# KiCad board PC110.kicad_pcb
title: PC110 ITX; date: 2025-07-01; rev: 0.1; company: Designed by: Ahmad Byagowi
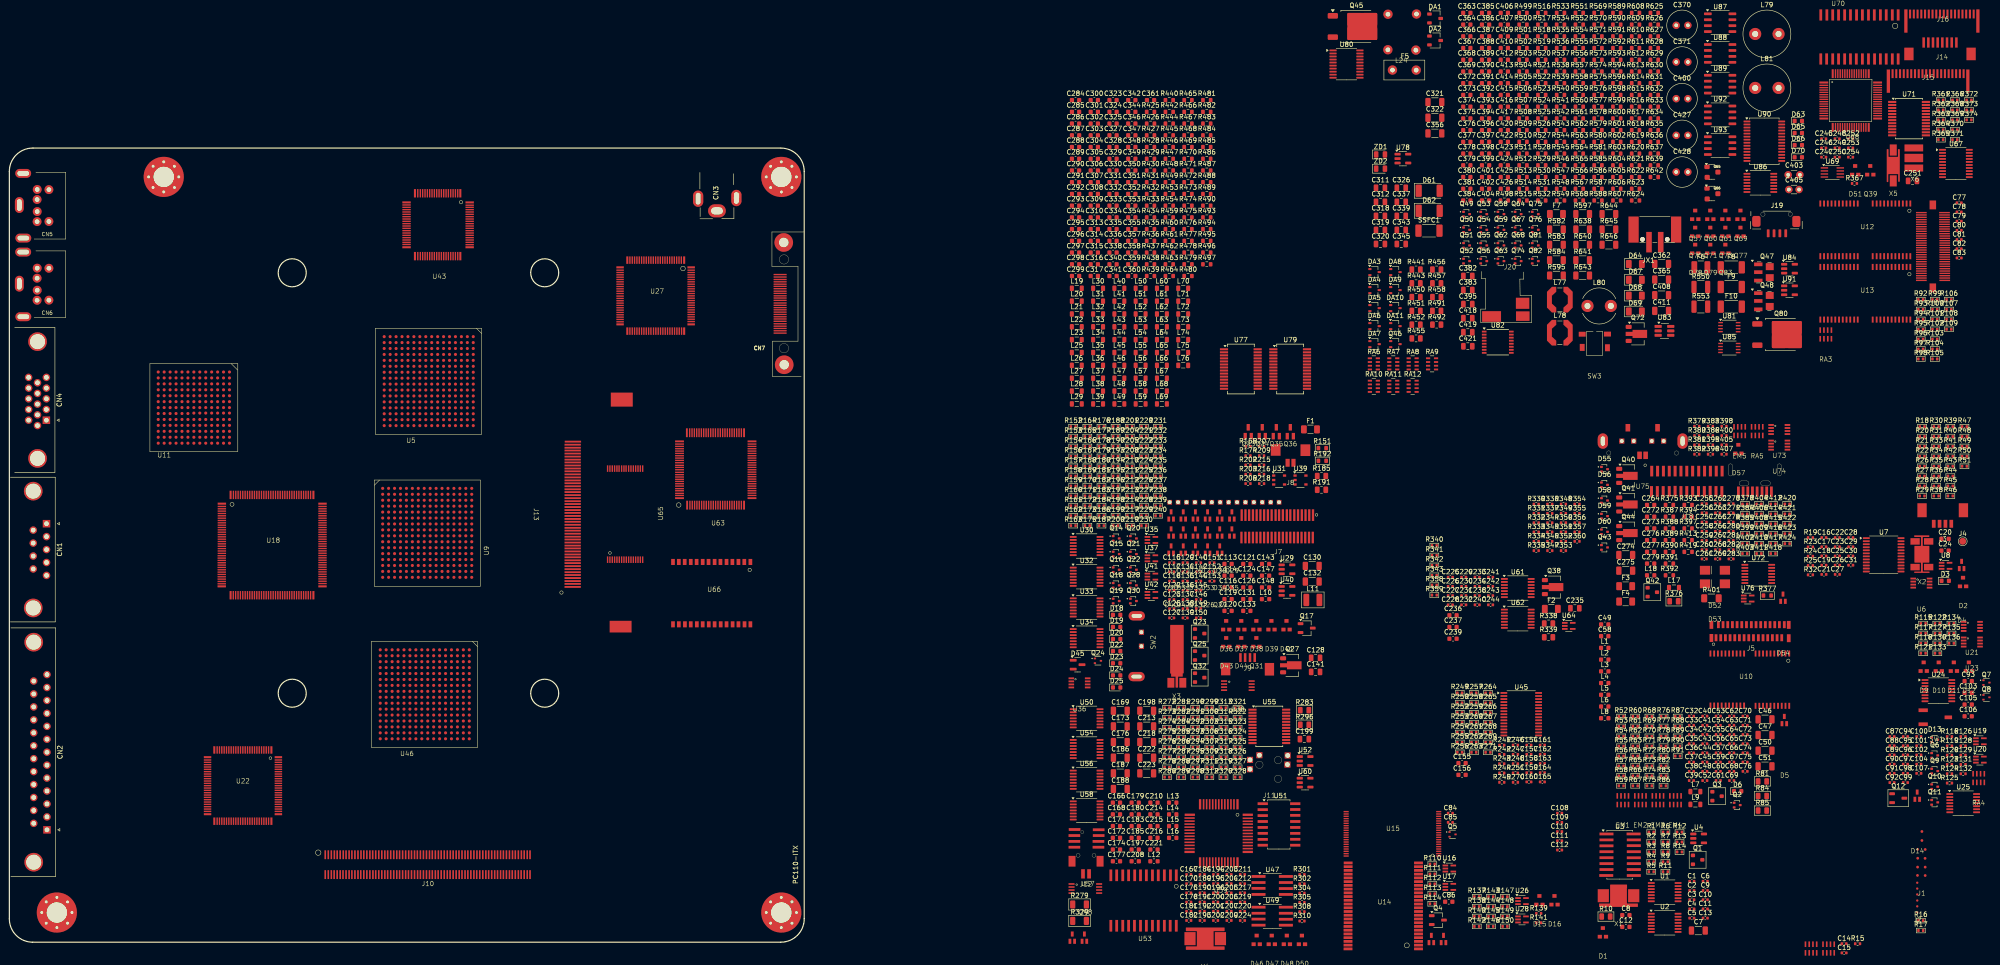
[diagram p0: board, top side]
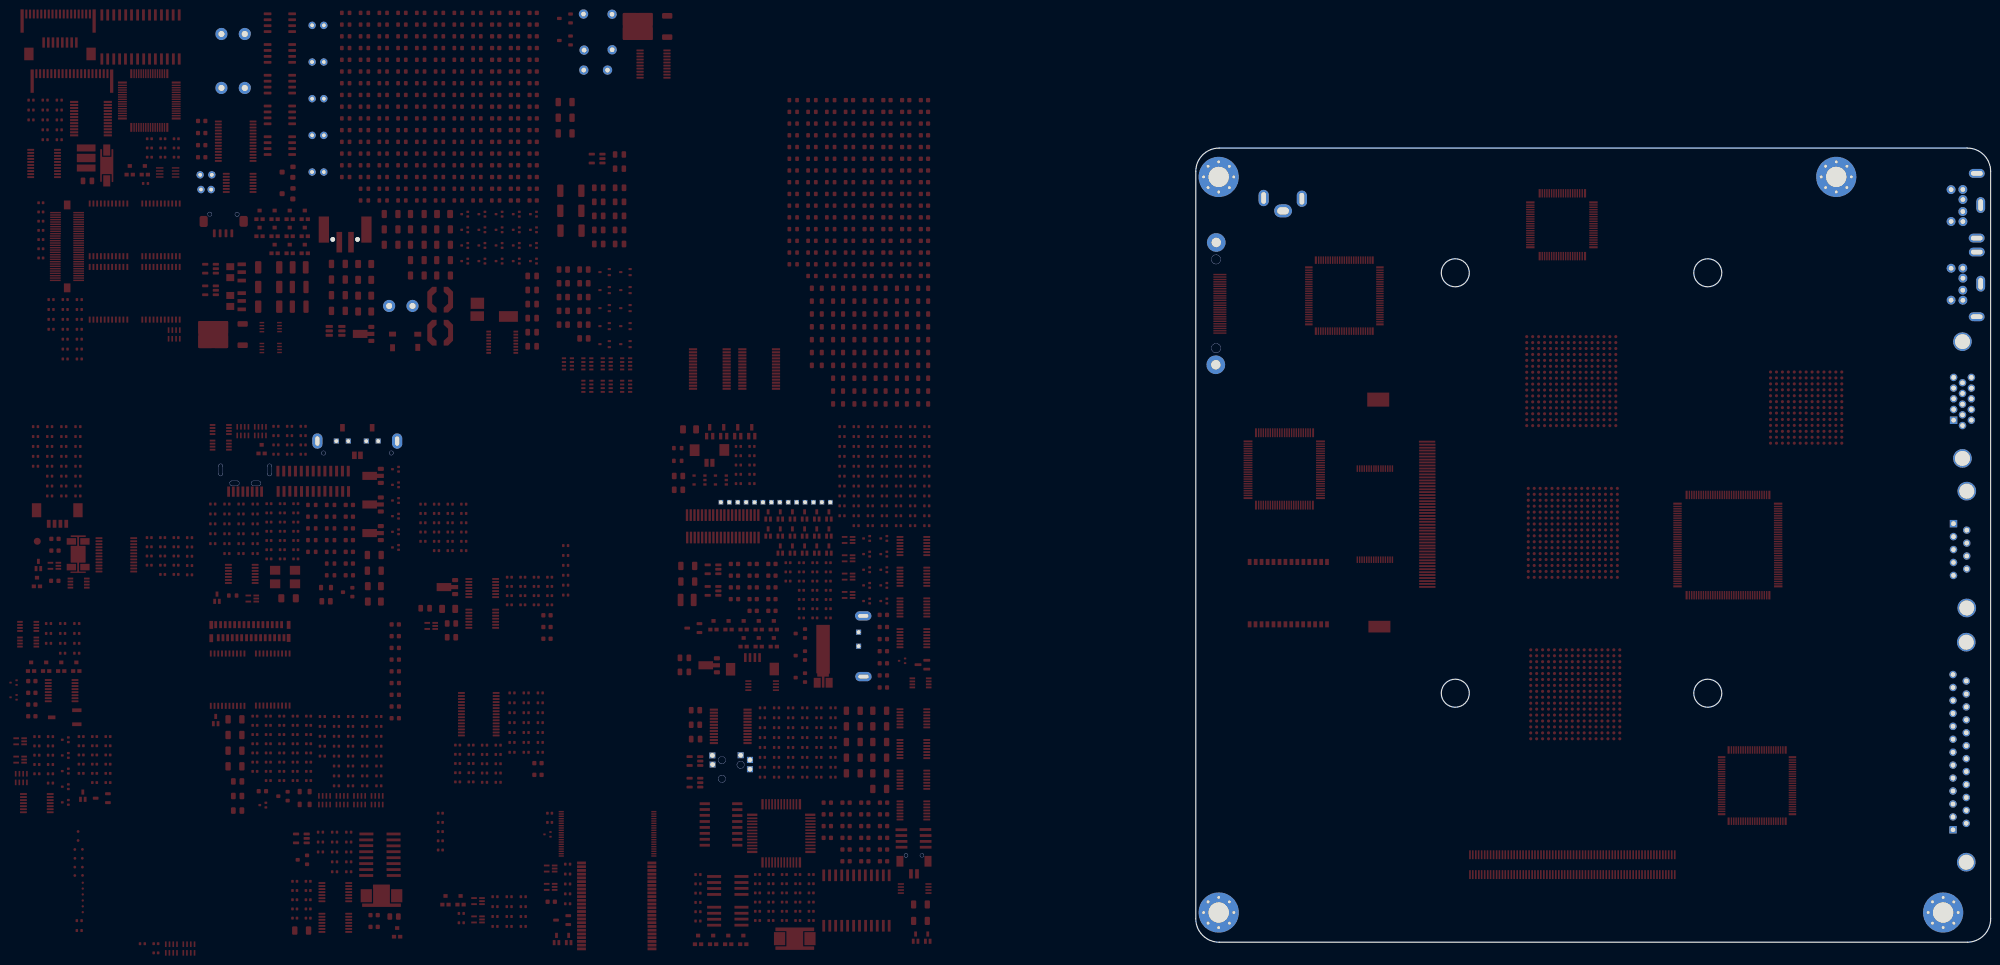
[diagram p1: board, bottom side, seen from below]

Outline 381.35 x 170 mm; copper layers: Top, Bottom. Coordinates in mm from the lower left corner of the outline.
Outline path: circle c10.16,6.35 r2.03 ; circle c33.02,163.83 r2.03 ; circle c60.5,143.3 r3 ; circle c60.5,53.3 r3 ; circle c114.5,143.3 r3 ; circle c114.5,53.3 r3 ; circle c165.1,163.83 r2.03 ; circle c165.1,6.35 r2.03 ; 0,165 0,5 arc(1.46,1.46) 5,0 165,0 arc(168.54,1.46) 170,5 170,165 arc(168.54,168.54) 165,170 5,170 arc(1.46,168.54) 0,165

## Placement (name value [footprint] x y rotation side)
C1  100nF  [C_0402_1005Metric]  359.84 13.03 0 top
C2  150nF  [C_0402_1005Metric]  359.84 11.06 0 top
C3  1nF  [C_0402_1005Metric]  359.84 9.09 0 top
C4  DNP  [C_0402_1005Metric]  359.84 7.12 0 top  (not fitted)
C5  DNP  [C_0402_1005Metric]  359.84 5.15 0 top  (not fitted)
C6  DNP  [C_0402_1005Metric]  362.71 13.03 0 top  (not fitted)
C7  10uF  [C_1206_3216Metric]  361.23 2.49 0 top
C8  330nF  [C_0603_1608Metric]  345.73 5.79 0 top
C9  1nF  [C_0402_1005Metric]  362.71 11.06 0 top
C10  220pF  [C_0402_1005Metric]  362.71 9.09 0 top
C11  150nF  [C_0402_1005Metric]  362.71 7.12 0 top
C12  10nF  [C_0603_1608Metric]  345.73 3.28 0 top
C13  100nF  [C_0402_1005Metric]  362.71 5.15 0 top
C14  150nF  [C_0402_1005Metric]  392.4 -0.32 0 top
C15  1nF  [C_0402_1005Metric]  392.4 -2.29 0 top
C16  100nF  [C_0402_1005Metric]  388.09 86.61 0 top
C17  150nF  [C_0402_1005Metric]  388.09 84.64 0 top
C18  100nF  [C_0402_1005Metric]  388.09 82.67 0 top
C19  100nF  [C_0402_1005Metric]  388.09 80.7 0 top
C20  1uF  [C_0603_1608Metric]  413.99 86.34 0 top  (not fitted)
C21  150nF  [C_0402_1005Metric]  388.09 78.73 0 top
C22  1nF  [C_0402_1005Metric]  390.96 86.61 0 top
C23  18pF  [C_0402_1005Metric]  390.96 84.64 0 top
C24  1uF  [C_0603_1608Metric]  413.99 83.83 0 top
C25  18pF  [C_0402_1005Metric]  390.96 82.67 0 top
C26  1nF  [C_0402_1005Metric]  390.96 80.7 0 top
C27  150nF  [C_0402_1005Metric]  390.96 78.73 0 top
C28  1nF  [C_0402_1005Metric]  393.83 86.61 0 top
C29  120nF  [C_0402_1005Metric]  393.83 84.64 0 top
C30  100nF  [C_0402_1005Metric]  393.83 82.67 0 top
C31  1nF  [C_0402_1005Metric]  393.83 80.7 0 top
C32  150nF  [C_0402_1005Metric]  359.75 48.39 0 top
C33  100nF  [C_0402_1005Metric]  359.75 46.42 0 top
C34  150nF  [C_0402_1005Metric]  359.75 44.45 0 top
C35  150nF  [C_0402_1005Metric]  359.75 42.48 0 top
C36  1nF  [C_0402_1005Metric]  359.75 40.51 0 top
C37  1nF  [C_0402_1005Metric]  359.75 38.54 0 top
C38  150nF  [C_0402_1005Metric]  359.75 36.57 0 top
C39  120nF  [C_0402_1005Metric]  359.75 34.6 0 top
C40  1nF  [C_0402_1005Metric]  362.62 48.39 0 top
C41  150nF  [C_0402_1005Metric]  362.62 46.42 0 top
C42  100nF  [C_0402_1005Metric]  362.62 44.45 0 top
C43  1nF  [C_0402_1005Metric]  362.62 42.48 0 top
C44  1nF  [C_0402_1005Metric]  362.62 40.51 0 top
C45  150nF  [C_0402_1005Metric]  362.62 38.54 0 top
C46  10uF  [C_1206_3216Metric]  375.49 47.7 0 top
C47  10uF  [C_1206_3216Metric]  375.49 44.35 0 top
C48  150nF  [C_0402_1005Metric]  362.62 36.57 0 top
C49  270nF  [C_0603_1608Metric]  341.21 68.02 0 top
C50  10uF  [C_1206_3216Metric]  375.49 41 0 top
C51  10uF  [C_1206_3216Metric]  375.49 37.65 0 top
C52  330nF  [C_0402_1005Metric]  362.62 34.6 0 top
C53  56pF  [C_0402_1005Metric]  365.49 48.39 0 top
C54  56pF  [C_0402_1005Metric]  365.49 46.42 0 top
C55  56pF  [C_0402_1005Metric]  365.49 44.45 0 top
C56  56pF  [C_0402_1005Metric]  365.49 42.48 0 top
C57  56pF  [C_0402_1005Metric]  365.49 40.51 0 top
C58  470nF  [C_0603_1608Metric]  341.21 65.51 0 top
C59  100nF  [C_0402_1005Metric]  365.49 38.54 0 top
C60  1nF  [C_0402_1005Metric]  365.49 36.57 0 top
C61  56pF  [C_0402_1005Metric]  365.49 34.6 0 top
C62  56pF  [C_0402_1005Metric]  368.36 48.39 0 top
C63  56pF  [C_0402_1005Metric]  368.36 46.42 0 top
C64  56pF  [C_0402_1005Metric]  368.36 44.45 0 top
C65  56pF  [C_0402_1005Metric]  368.36 42.48 0 top
C66  56pF  [C_0402_1005Metric]  368.36 40.51 0 top
C67  56pF  [C_0402_1005Metric]  368.36 38.54 0 top
C68  56pF  [C_0402_1005Metric]  368.36 36.57 0 top
C69  56pF  [C_0402_1005Metric]  368.36 34.6 0 top
C70  56pF  [C_0402_1005Metric]  371.23 48.39 0 top
C71  56pF  [C_0402_1005Metric]  371.23 46.42 0 top
C72  56pF  [C_0402_1005Metric]  371.23 44.45 0 top
C73  56pF  [C_0402_1005Metric]  371.23 42.48 0 top
C74  56pF  [C_0402_1005Metric]  371.23 40.51 0 top
C75  56pF  [C_0402_1005Metric]  371.23 38.54 0 top
C76  56pF  [C_0402_1005Metric]  371.23 36.57 0 top
C77  150nF  [C_0402_1005Metric]  417.01 158.29 0 top
C78  150nF  [C_0402_1005Metric]  417.01 156.32 0 top
C79  150nF  [C_0402_1005Metric]  417.01 154.35 0 top
C80  180nF  [C_0402_1005Metric]  417.01 152.38 0 top
C81  120nF  [C_0402_1005Metric]  417.01 150.41 0 top
C82  150nF  [C_0402_1005Metric]  417.01 148.44 0 top
C83  1nF  [C_0402_1005Metric]  417.01 146.47 0 top
C84  150nF  [C_0402_1005Metric]  308.19 27.61 0 top
C85  150nF  [C_0402_1005Metric]  308.19 25.64 0 top
C86  150nF  [C_0603_1608Metric]  307.85 8.66 0 top
C87  150nF  [C_0402_1005Metric]  402.65 44.02 0 top
C88  180nF  [C_0402_1005Metric]  402.65 42.05 0 top
C89  1nF  [C_0402_1005Metric]  402.65 40.08 0 top
C90  100nF  [C_0402_1005Metric]  402.65 38.11 0 top
C91  1nF  [C_0402_1005Metric]  402.65 36.14 0 top
C92  120nF  [C_0402_1005Metric]  402.65 34.17 0 top
C93  1uF  [C_0603_1608Metric]  418.94 55.89 0 top
C94  120nF  [C_0402_1005Metric]  405.52 44.02 0 top
C95  100nF  [C_0402_1005Metric]  405.52 42.05 0 top
C96  1nF  [C_0402_1005Metric]  405.52 40.08 0 top
C97  100nF  [C_0402_1005Metric]  405.52 38.11 0 top
C98  100nF  [C_0402_1005Metric]  405.52 36.14 0 top
C99  150nF  [C_0402_1005Metric]  405.52 34.17 0 top
C100  1nF  [C_0402_1005Metric]  408.39 44.02 0 top
C101  1nF  [C_0402_1005Metric]  408.39 42.05 0 top
C102  180nF  [C_0402_1005Metric]  408.39 40.08 0 top
C103  1uF  [C_0603_1608Metric]  418.94 53.38 0 top
C104  100nF  [C_0402_1005Metric]  408.39 38.11 0 top
C105  1uF  [C_0603_1608Metric]  418.94 50.87 0 top
C106  1uF  [C_0603_1608Metric]  418.94 48.36 0 top
C107  1nF  [C_0402_1005Metric]  408.39 36.14 0 top
C108  100nF  [C_0402_1005Metric]  331.56 27.61 0 top
C109  100nF  [C_0402_1005Metric]  331.56 25.64 0 top
C110  1nF  [C_0402_1005Metric]  331.56 23.67 0 top
C111  100nF  [C_0402_1005Metric]  331.56 21.7 0 top
C112  120nF  [C_0402_1005Metric]  331.56 19.73 0 top
C113  150nF  [C_0603_1608Metric]  260.65 80.97 0 top
C114  10nF  [C_0603_1608Metric]  260.65 78.46 0 top
C115  100pF  [C_0402_1005Metric]  248.6 81.24 0 top
C116  10nF  [C_0603_1608Metric]  260.65 75.95 0 top
C117  1nF  [C_0402_1005Metric]  248.6 79.27 0 top
C118  330pF  [C_0402_1005Metric]  248.6 77.3 0 top
C119  1uF  [C_0603_1608Metric]  260.65 73.44 0 top
C120  10nF  [C_0603_1608Metric]  260.65 70.93 0 top
C121  150nF  [C_0603_1608Metric]  264.66 80.97 0 top
C122  150nF  [C_0402_1005Metric]  248.6 75.33 0 top
C123  100pF  [C_0402_1005Metric]  248.6 73.36 0 top
C124  1uF  [C_0603_1608Metric]  264.66 78.46 0 top
C125  150nF  [C_0402_1005Metric]  248.6 71.39 0 top
C126  1uF  [C_0603_1608Metric]  264.66 75.95 0 top
C127  120nF  [C_0402_1005Metric]  248.6 69.42 0 top
C128  2.2uF  [C_0805_2012Metric]  279.37 60.87 0 top
C129  150nF  [C_0402_1005Metric]  251.47 81.24 0 top
C130  10uF  [C_1206_3216Metric]  278.65 80.55 0 top
C131  10nF  [C_0603_1608Metric]  264.66 73.44 0 top
C132  5.6uF  [C_1206_3216Metric]  278.65 77.2 0 top
C133  10nF  [C_0603_1608Metric]  264.66 70.93 0 top
C134  100nF  [C_0402_1005Metric]  251.47 79.27 0 top
C135  150nF  [C_0402_1005Metric]  251.47 77.3 0 top
C136  100nF  [C_0402_1005Metric]  251.47 75.33 0 top
C137  150nF  [C_0402_1005Metric]  251.47 73.36 0 top
C138  1nF  [C_0402_1005Metric]  251.47 71.39 0 top
C139  1nF  [C_0402_1005Metric]  251.47 69.42 0 top
C140  180nF  [C_0402_1005Metric]  254.34 81.24 0 top
C141  2.7uF  [C_0805_2012Metric]  279.37 57.86 0 top
C142  150nF  [C_0402_1005Metric]  254.34 79.27 0 top
C143  330nF  [C_0603_1608Metric]  268.67 80.97 0 top
C144  18pF  [C_0402_1005Metric]  254.34 77.3 0 top
C145  18pF  [C_0402_1005Metric]  254.34 75.33 0 top
C146  100nF  [C_0402_1005Metric]  254.34 73.36 0 top
C147  100nF  [C_0603_1608Metric]  268.67 78.46 0 top
C148  100nF  [C_0603_1608Metric]  268.67 75.95 0 top
C149  100nF  [C_0402_1005Metric]  254.34 71.39 0 top
C150  150nF  [C_0402_1005Metric]  254.34 69.42 0 top
C151  150nF  [C_0402_1005Metric]  257.21 81.24 0 top
C152  150nF  [C_0402_1005Metric]  257.21 79.27 0 top
C153  150nF  [C_0402_1005Metric]  257.21 77.3 0 top
C154  100nF  [C_0402_1005Metric]  325 42.19 0 top
C155  150nF  [C_0603_1608Metric]  310.69 38.33 0 top
C156  150nF  [C_0603_1608Metric]  310.69 35.82 0 top
C157  120nF  [C_0402_1005Metric]  325 40.22 0 top
C158  120nF  [C_0402_1005Metric]  325 38.25 0 top
C159  150nF  [C_0402_1005Metric]  325 36.28 0 top
C160  150nF  [C_0402_1005Metric]  325 34.31 0 top
C161  100nF  [C_0402_1005Metric]  327.87 42.19 0 top
C162  100nF  [C_0402_1005Metric]  327.87 40.22 0 top
C163  100nF  [C_0402_1005Metric]  327.87 38.25 0 top
C164  100nF  [C_0402_1005Metric]  327.87 36.28 0 top
C165  100nF  [C_0402_1005Metric]  327.87 34.31 0 top
C166  1uF  [C_0603_1608Metric]  236.78 29.87 0 top
C167  1nF  [C_0402_1005Metric]  252.25 14.49 0 top
C168  270nF  [C_0603_1608Metric]  236.78 27.36 0 top
C169  10uF  [C_1206_3216Metric]  237.6 49.55 0 top
C170  DNP  [C_0402_1005Metric]  252.25 12.52 0 top  (not fitted)
C171  270nF  [C_0603_1608Metric]  236.78 24.85 0 top
C172  1uF  [C_0603_1608Metric]  236.78 22.34 0 top
C173  10uF  [C_1206_3216Metric]  237.6 46.2 0 top
C174  270nF  [C_0603_1608Metric]  236.78 19.83 0 top
C175  100nF  [C_0402_1005Metric]  252.25 10.55 0 top
C176  10uF  [C_1206_3216Metric]  237.6 42.85 0 top
C177  330nF  [C_0603_1608Metric]  236.78 17.32 0 top
C178  5.6nF  [C_0402_1005Metric]  252.25 8.58 0 top
C179  270nF  [C_0603_1608Metric]  240.79 29.87 0 top
C180  1uF  [C_0603_1608Metric]  240.79 27.36 0 top
C181  150nF  [C_0402_1005Metric]  252.25 6.61 0 top
C182  100nF  [C_0402_1005Metric]  252.25 4.64 0 top
C183  300nF  [C_0603_1608Metric]  240.79 24.85 0 top
C184  100pF  [C_0402_1005Metric]  255.12 14.49 0 top
C185  10nF  [C_0603_1608Metric]  240.79 22.34 0 top
C186  DNP  [C_1206_3216Metric]  237.6 39.5 0 top  (not fitted)
C187  10uF  [C_1206_3216Metric]  237.6 36.15 0 top
C188  10uF  [C_1206_3216Metric]  237.6 32.8 0 top
C189  DNP  [C_0402_1005Metric]  255.12 12.52 0 top
C190  150nF  [C_0402_1005Metric]  255.12 10.55 0 top
C191  DNP  [C_0402_1005Metric]  255.12 8.58 0 top  (not fitted)
C192  DNP  [C_0402_1005Metric]  255.12 6.61 0 top
C193  DNP  [C_0402_1005Metric]  255.12 4.64 0 top
C194  100pF  [C_0402_1005Metric]  257.99 14.49 0 top
C195  100nF  [C_0402_1005Metric]  257.99 12.52 0 top
C196  DNP  [C_0402_1005Metric]  257.99 10.55 0 top  (not fitted)
C197  1uF  [C_0603_1608Metric]  240.79 19.83 0 top
C198  10uF  [C_1206_3216Metric]  243.25 49.55 0 top
C199  2.7uF  [C_0805_2012Metric]  276.97 43.48 0 top
C200  100nF  [C_0402_1005Metric]  257.99 8.58 0 top
C201  1nF  [C_0402_1005Metric]  257.99 6.61 0 top
C202  150nF  [C_0402_1005Metric]  257.99 4.64 0 top
C203  1nF  [C_0402_1005Metric]  260.86 14.49 0 top
C204  150nF  [C_0402_1005Metric]  260.86 12.52 0 top
C205  150nF  [C_0402_1005Metric]  260.86 10.55 0 top
C206  120nF  [C_0402_1005Metric]  260.86 8.58 0 top
C207  150nF  [C_0402_1005Metric]  260.86 6.61 0 top
C208  100nF  [C_0603_1608Metric]  240.79 17.32 0 top
C209  150nF  [C_0402_1005Metric]  260.86 4.64 0 top
C210  10nF  [C_0603_1608Metric]  244.8 29.87 0 top
C211  100nF  [C_0402_1005Metric]  263.73 14.49 0 top
C212  22pF  [C_0402_1005Metric]  263.73 12.52 0 top
C213  10uF  [C_1206_3216Metric]  243.25 46.2 0 top
C214  250nF  [C_0603_1608Metric]  244.8 27.36 0 top
C215  270nF  [C_0603_1608Metric]  244.8 24.85 0 top
C216  270nF  [C_0603_1608Metric]  244.8 22.34 0 top
C217  22pF  [C_0402_1005Metric]  263.73 10.55 0 top
C218  10uF  [C_1206_3216Metric]  243.25 42.85 0 top
C219  DNP  [C_0402_1005Metric]  263.73 8.58 0 top  (not fitted)
C220  1.5nF  [C_0402_1005Metric]  263.73 6.61 0 top
C221  300nF  [C_0603_1608Metric]  244.8 19.83 0 top
C222  10uF  [C_1206_3216Metric]  243.25 39.5 0 top
C223  10uF  [C_1206_3216Metric]  243.25 36.15 0 top
C224  150nF  [C_0402_1005Metric]  263.73 4.64 0 top
C225  150nF  [C_0402_1005Metric]  308.19 78.13 0 top
C226  100nF  [C_0402_1005Metric]  308.19 76.16 0 top
C227  100nF  [C_0402_1005Metric]  308.19 74.19 0 top
C228  150nF  [C_0402_1005Metric]  308.19 72.22 0 top
C229  180pF  [C_0402_1005Metric]  311.06 78.13 0 top
C230  220pF  [C_0402_1005Metric]  311.06 76.16 0 top
C231  100nF  [C_0402_1005Metric]  311.06 74.19 0 top
C232  100nF  [C_0402_1005Metric]  311.06 72.22 0 top
C233  100nF  [C_0402_1005Metric]  313.93 78.13 0 top
C234  100nF  [C_0402_1005Metric]  313.93 76.16 0 top
C235  1.5uF  [C_0805_2012Metric]  334.82 71.49 0 top
C236  10nF  [C_0603_1608Metric]  308.76 69.98 0 top
C237  100nF  [C_0603_1608Metric]  308.76 67.47 0 top
C238  100nF  [C_0402_1005Metric]  313.93 74.19 0 top
C239  150nF  [C_0603_1608Metric]  308.76 64.96 0 top
C240  150nF  [C_0402_1005Metric]  313.93 72.22 0 top
C241  150nF  [C_0402_1005Metric]  316.8 78.13 0 top
C242  100pF  [C_0402_1005Metric]  316.8 76.16 0 top
C243  100pF  [C_0402_1005Metric]  316.8 74.19 0 top
C244  100nF  [C_0402_1005Metric]  316.8 72.22 0 top
C245  DNP  [C_0402_1005Metric]  388.05 171.99 0 top
C246  150nF  [C_0402_1005Metric]  388.05 170.02 0 top
C247  100nF  [C_0402_1005Metric]  388.05 168.05 0 top
C248  56pf  [C_0402_1005Metric]  390.92 171.99 0 top
C249  56pF  [C_0402_1005Metric]  390.92 170.02 0 top
C250  150nF  [C_0402_1005Metric]  390.92 168.05 0 top
C251  2.7uF  [C_0805_2012Metric]  407.04 162.97 0 top
C252  100nF  [C_0402_1005Metric]  393.79 171.99 0 top
C253  39pF  [C_0402_1005Metric]  393.79 170.02 0 top
C254  39pF  [C_0402_1005Metric]  393.79 168.05 0 top
C255  150nF  [C_0402_1005Metric]  362.49 93.87 0 top
C256  120nF  [C_0402_1005Metric]  362.49 91.9 0 top
C257  100nF  [C_0402_1005Metric]  362.49 89.93 0 top
C258  220pF  [C_0402_1005Metric]  362.49 87.96 0 top
C259  120nF  [C_0402_1005Metric]  362.49 85.99 0 top
C260  120nF  [C_0402_1005Metric]  362.49 84.02 0 top
C261  120nF  [C_0402_1005Metric]  362.49 82.05 0 top
C262  220pF  [C_0402_1005Metric]  365.36 93.87 0 top
C263  220pF  [C_0402_1005Metric]  365.36 91.9 0 top
C264  300nF  [C_0603_1608Metric]  351.03 93.6 0 top
C265  220pF  [C_0402_1005Metric]  365.36 89.93 0 top
C266  150nF  [C_0402_1005Metric]  365.36 87.96 0 top
C267  100nF  [C_0402_1005Metric]  365.36 85.99 0 top
C268  150nF  [C_0402_1005Metric]  365.36 84.02 0 top
C269  150nF  [C_0402_1005Metric]  365.36 82.05 0 top
C270  150nF  [C_0402_1005Metric]  368.23 93.87 0 top
C271  100nF  [C_0402_1005Metric]  368.23 91.9 0 top
C272  1uF  [C_0603_1608Metric]  351.03 91.09 0 top
C273  150nF  [C_0603_1608Metric]  351.03 88.58 0 top
C274  10uF  [C_1206_3216Metric]  345.7 82.88 0 top
C275  10uF  [C_1206_3216Metric]  345.7 79.53 0 top
C276  300nF  [C_0603_1608Metric]  351.03 86.07 0 top
C277  1uF  [C_0603_1608Metric]  351.03 83.56 0 top
C278  DNP  [C_0402_1005Metric]  368.23 89.93 0 top  (not fitted)
C279  470nF  [C_0603_1608Metric]  351.03 81.05 0 top
C280  180nF  [C_0402_1005Metric]  368.23 87.96 0 top
C281  180nF  [C_0402_1005Metric]  368.23 85.99 0 top
C282  100nF  [C_0402_1005Metric]  368.23 84.02 0 top
C283  1nF  [C_0402_1005Metric]  368.23 82.05 0 top
C284  200pF  [C_0603_1608Metric]  228.03 180.26 0 top
C285  200nF  [C_0603_1608Metric]  228.03 177.75 0 top
C286  200pF  [C_0603_1608Metric]  228.03 175.24 0 top
C287  280nF  [C_0603_1608Metric]  228.03 172.73 0 top
C288  200nF  [C_0603_1608Metric]  228.03 170.22 0 top
C289  10nF  [C_0603_1608Metric]  228.03 167.71 0 top
C290  200pF  [C_0603_1608Metric]  228.03 165.2 0 top
C291  330nF  [C_0603_1608Metric]  228.03 162.69 0 top
C292  200nF  [C_0603_1608Metric]  228.03 160.18 0 top
C293  200pF  [C_0603_1608Metric]  228.03 157.67 0 top
C294  200nF  [C_0603_1608Metric]  228.03 155.16 0 top
C295  10nF  [C_0603_1608Metric]  228.03 152.65 0 top
C296  200pF  [C_0603_1608Metric]  228.03 150.14 0 top
C297  200nF  [C_0603_1608Metric]  228.03 147.63 0 top
C298  200pF  [C_0603_1608Metric]  228.03 145.12 0 top
C299  200nF  [C_0603_1608Metric]  228.03 142.61 0 top
C300  150nF  [C_0603_1608Metric]  232.04 180.26 0 top
C301  200pF  [C_0603_1608Metric]  232.04 177.75 0 top
C302  200nF  [C_0603_1608Metric]  232.04 175.24 0 top
C303  200pF  [C_0603_1608Metric]  232.04 172.73 0 top
C304  200nF  [C_0603_1608Metric]  232.04 170.22 0 top
C305  200nF  [C_0603_1608Metric]  232.04 167.71 0 top
C306  200nF  [C_0603_1608Metric]  232.04 165.2 0 top
C307  200nF  [C_0603_1608Metric]  232.04 162.69 0 top
C308  200nF  [C_0603_1608Metric]  232.04 160.18 0 top
C309  200nF  [C_0603_1608Metric]  232.04 157.67 0 top
C310  200nF  [C_0603_1608Metric]  232.04 155.16 0 top
C311  360nF  [C_0805_2012Metric]  293.24 161.5 0 top
C312  360nF  [C_0805_2012Metric]  293.24 158.49 0 top
C313  200nF  [C_0603_1608Metric]  232.04 152.65 0 top
C314  200nF  [C_0603_1608Metric]  232.04 150.14 0 top
C315  200nF  [C_0603_1608Metric]  232.04 147.63 0 top
C316  250nF  [C_0603_1608Metric]  232.04 145.12 0 top
C317  DNP  [C_0603_1608Metric]  232.04 142.61 0 top  (not fitted)
C318  360nF  [C_0805_2012Metric]  293.24 155.48 0 top
C319  360nF  [C_0805_2012Metric]  293.24 152.47 0 top
C320  DNP  [C_0805_2012Metric]  293.24 149.46 0 top  (not fitted)
C321  DNP  [C_1206_3216Metric]  304.88 179.84 0 top  (not fitted)
C322  DNP  [C_1206_3216Metric]  304.88 176.49 0 top  (not fitted)
C323  DNP  [C_0603_1608Metric]  236.05 180.26 0 top  (not fitted)
C324  DNP  [C_0603_1608Metric]  236.05 177.75 0 top  (not fitted)
C325  DNP  [C_0603_1608Metric]  236.05 175.24 0 top  (not fitted)
C326  DNP  [C_0805_2012Metric]  297.69 161.5 0 top  (not fitted)
C327  280nF  [C_0603_1608Metric]  236.05 172.73 0 top
C328  82pF  [C_0603_1608Metric]  236.05 170.22 0 top
C329  82pF  [C_0603_1608Metric]  236.05 167.71 0 top
C330  82pF  [C_0603_1608Metric]  236.05 165.2 0 top
C331  280nF  [C_0603_1608Metric]  236.05 162.69 0 top
C332  280nF  [C_0603_1608Metric]  236.05 160.18 0 top
C333  280nF  [C_0603_1608Metric]  236.05 157.67 0 top
C334  280nF  [C_0603_1608Metric]  236.05 155.16 0 top
C335  280nF  [C_0603_1608Metric]  236.05 152.65 0 top
C336  82pF  [C_0603_1608Metric]  236.05 150.14 0 top
C337  330nF  [C_0805_2012Metric]  297.69 158.49 0 top
C338  280nF  [C_0603_1608Metric]  236.05 147.63 0 top
C339  1nF  [C_0805_2012Metric]  297.69 155.48 0 top
C340  250nF  [C_0603_1608Metric]  236.05 145.12 0 top
C341  250nF  [C_0603_1608Metric]  236.05 142.61 0 top
C342  82pF  [C_0603_1608Metric]  240.06 180.26 0 top
C343  200pF  [C_0805_2012Metric]  297.69 152.47 0 top
C344  280nF  [C_0603_1608Metric]  240.06 177.75 0 top
C345  200pF  [C_0805_2012Metric]  297.69 149.46 0 top
C346  200pF  [C_0603_1608Metric]  240.06 175.24 0 top
C347  280nF  [C_0603_1608Metric]  240.06 172.73 0 top
C348  200pF  [C_0603_1608Metric]  240.06 170.22 0 top
C349  280nF  [C_0603_1608Metric]  240.06 167.71 0 top
C350  200pF  [C_0603_1608Metric]  240.06 165.2 0 top
C351  82pF  [C_0603_1608Metric]  240.06 162.69 0 top
C352  200pF  [C_0603_1608Metric]  240.06 160.18 0 top
C353  280nF  [C_0603_1608Metric]  240.06 157.67 0 top
C354  82pF  [C_0603_1608Metric]  240.06 155.16 0 top
C355  82pF  [C_0603_1608Metric]  240.06 152.65 0 top
C356  2.5uF  [C_1206_3216Metric]  304.88 173.14 0 top
C357  82pF  [C_0603_1608Metric]  240.06 150.14 0 top
C358  280nF  [C_0603_1608Metric]  240.06 147.63 0 top
C359  280nF  [C_0603_1608Metric]  240.06 145.12 0 top
C360  82pF  [C_0603_1608Metric]  240.06 142.61 0 top
C361  1nF  [C_0603_1608Metric]  244.07 180.26 0 top
C362  1.5uF  [C_1206_3216Metric]  353.38 145.2 0 top
C363  2.5nF  [C_0603_1608Metric]  311.71 198.94 0 top
C364  3.6nF  [C_0603_1608Metric]  311.71 196.43 0 top
C365  1.5uF  [C_1206_3216Metric]  353.38 141.85 0 top
C366  10nF  [C_0603_1608Metric]  311.71 193.92 0 top
C367  100nF  [C_0603_1608Metric]  311.71 191.41 0 top
C368  180nF  [C_0603_1608Metric]  311.71 188.9 0 top
C369  10nF  [C_0603_1608Metric]  311.71 186.39 0 top
C370  18uF 50V  [C_Radial_D6.3mm_H11.0mm_P2.50mm]  356.49 196.27 0 top
C371  15uF 16V  [C_Radial_D6.3mm_H11.0mm_P2.50mm]  356.49 188.42 0 top
C372  10nF  [C_0603_1608Metric]  311.71 183.88 0 top
C373  1.2nF  [C_0603_1608Metric]  311.71 181.37 0 top
C374  180nF  [C_0603_1608Metric]  311.71 178.86 0 top
C375  5.1nF  [C_0603_1608Metric]  311.71 176.35 0 top
C376  10nF  [C_0603_1608Metric]  311.71 173.84 0 top
C377  100pF  [C_0603_1608Metric]  311.71 171.33 0 top
C378  24nF  [C_0603_1608Metric]  311.71 168.82 0 top
C379  4.7nF  [C_0603_1608Metric]  311.71 166.31 0 top
C380  150nF  [C_0603_1608Metric]  311.71 163.8 0 top
C381  150nF  [C_0603_1608Metric]  311.71 161.29 0 top
C382  1.5uF  [C_0805_2012Metric]  311.93 142.62 0 top
C383  1.5uF  [C_0805_2012Metric]  311.93 139.61 0 top
C384  120nF  [C_0603_1608Metric]  311.71 158.78 0 top
C385  150nF  [C_0603_1608Metric]  315.72 198.94 0 top
C386  150nF  [C_0603_1608Metric]  315.72 196.43 0 top
C387  1.2nF  [C_0603_1608Metric]  315.72 193.92 0 top
C388  1nF  [C_0603_1608Metric]  315.72 191.41 0 top
C389  1.2nF  [C_0603_1608Metric]  315.72 188.9 0 top